# Altium PCB rev3.PcbDoc (part 2 of 7) (continued)
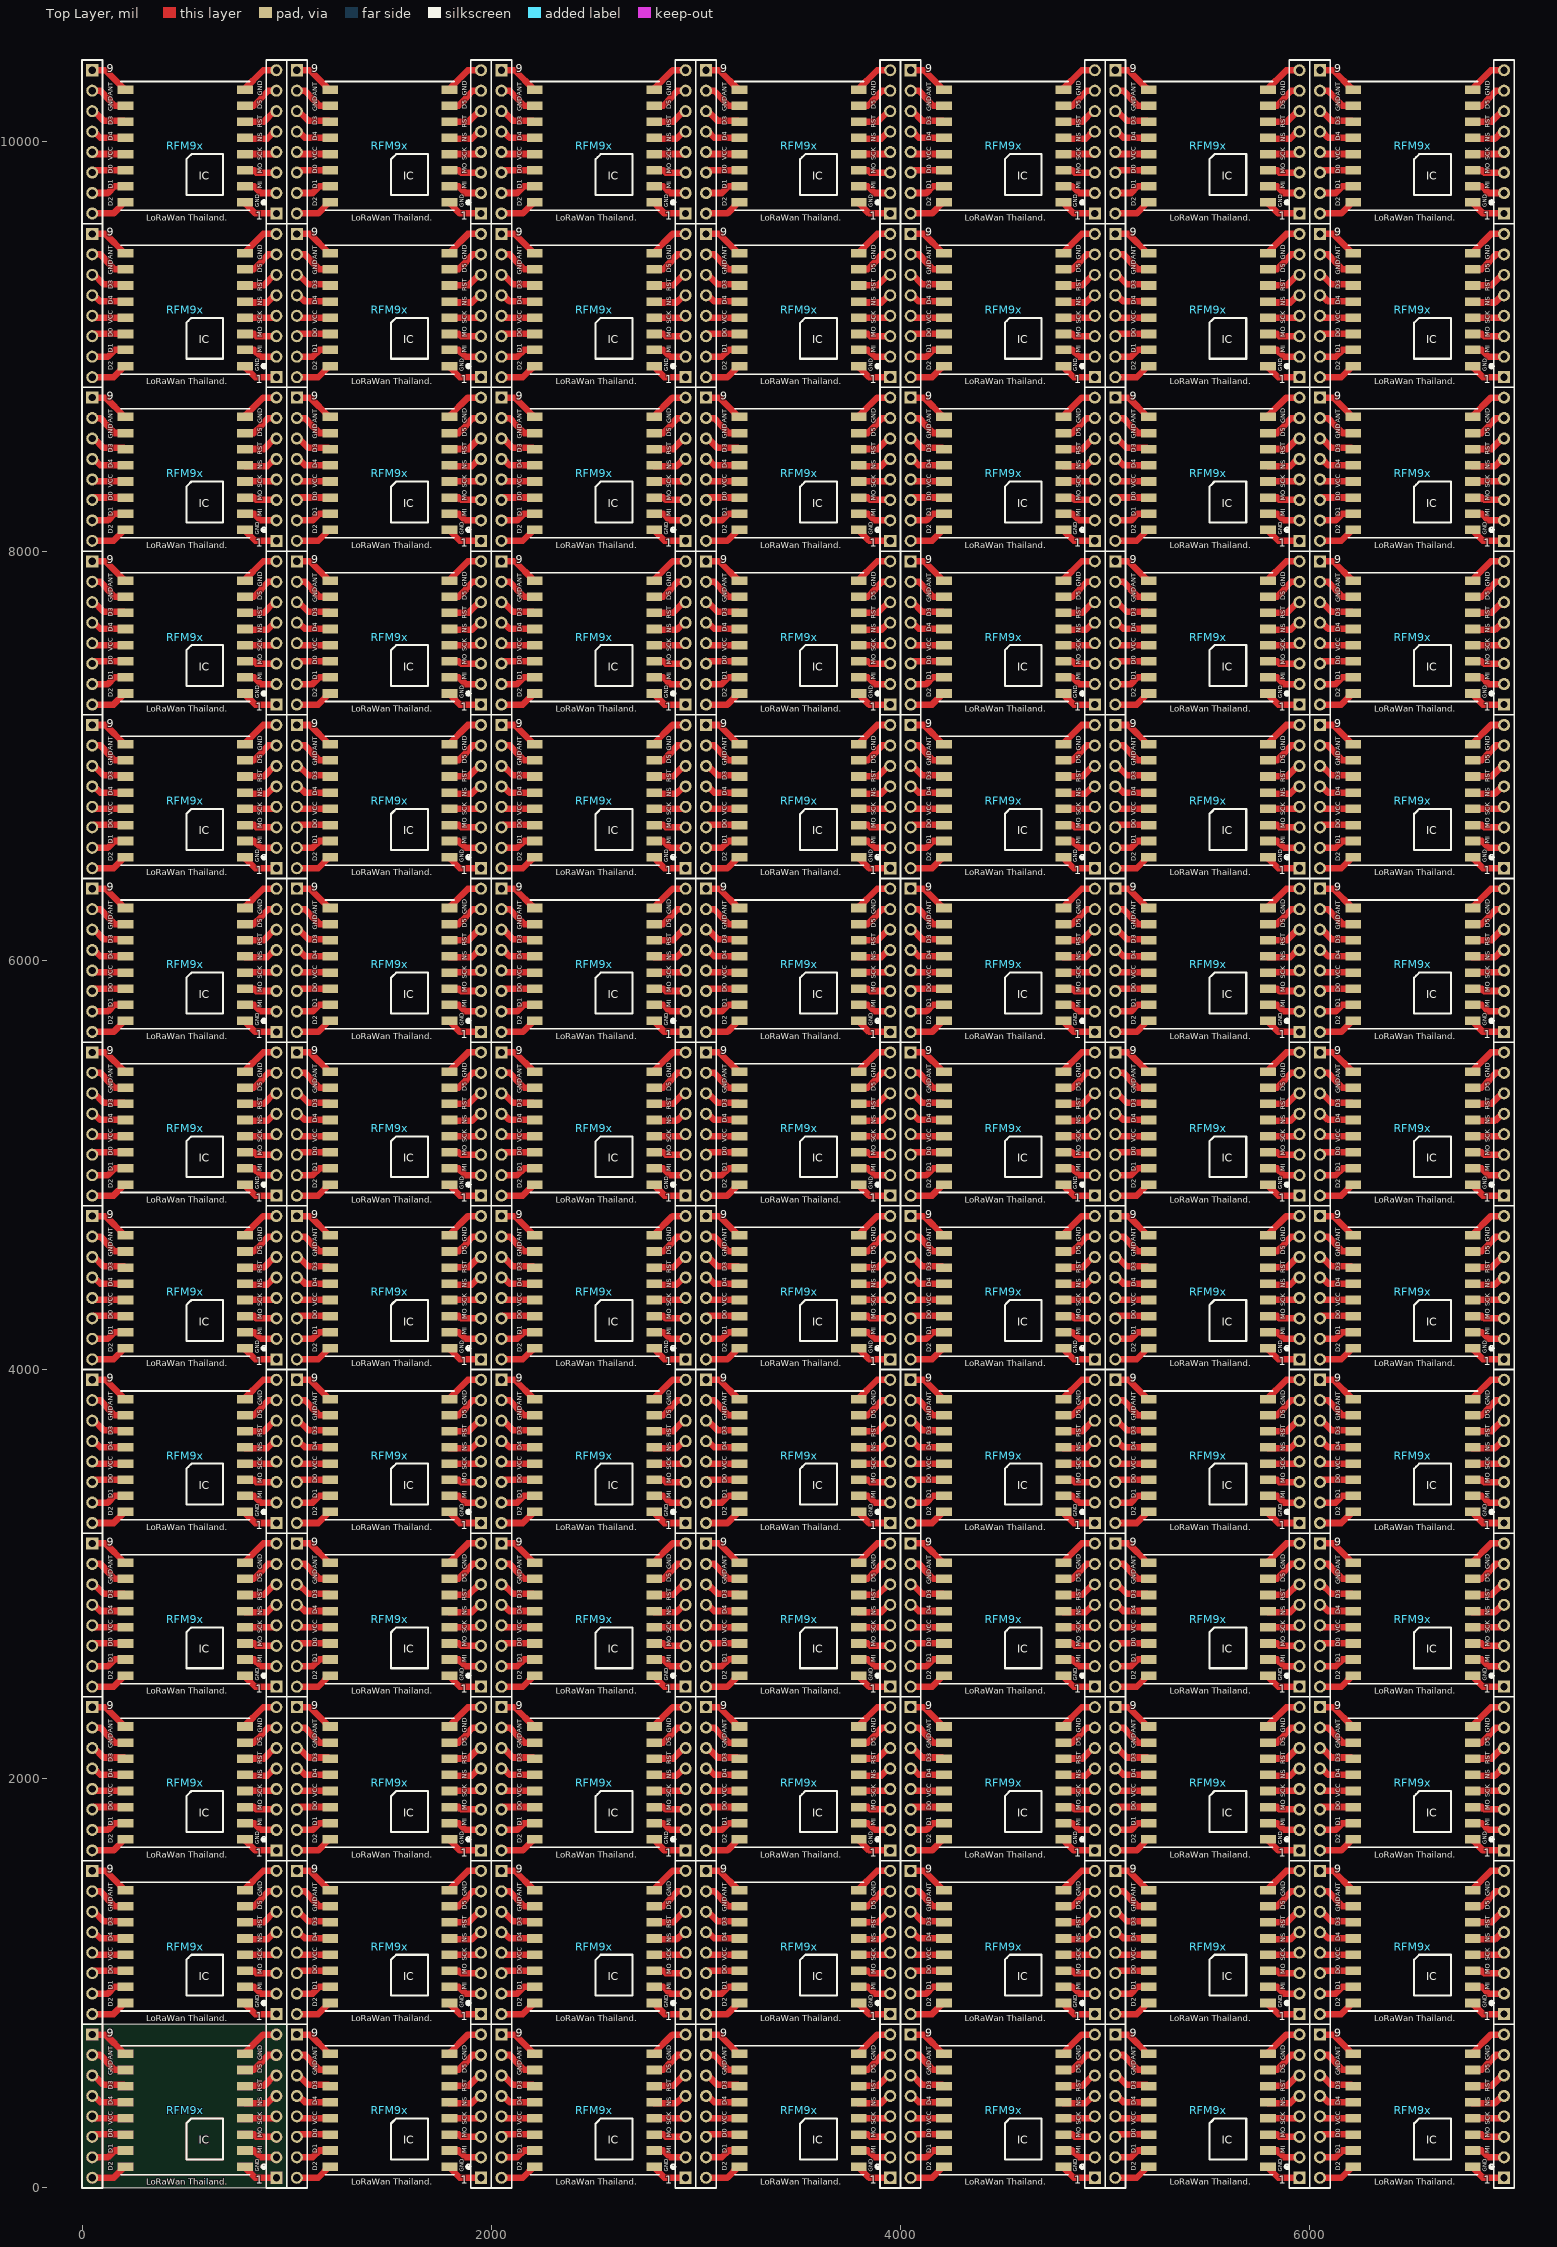
[diagram p0: Top Layer view]
## Nets (pads, with @x,y where several pads share a name; then routed paths per layer and width w, separated by ;. In a path a pad name is that pad's centre, name@x,y a point inside that pad or via, vN(x,y) a via of type N, cw(c..) or ccw(c..) an arc to the next point about the centre after c; other vN are vias at no path point) (continued)
RFM9x.1@796.34,8904 RFM9x.1@796.34,9704 RFM9x.1@1796.34,104 RFM9x.1@1796.34,904 RFM9x.1@1796.34,1704 RFM9x.1@1796.34,2504 RFM9x.1@1796.34,3304 RFM9x.1@1796.34,4104 RFM9x.1@1796.34,4904 RFM9x.1@1796.34,5704 RFM9x.1@1796.34,6504 RFM9x.1@1796.34,7304 RFM9x.1@1796.34,8104 RFM9x.1@1796.34,8904 RFM9x.1@1796.34,9704 RFM9x.1@2796.34,104 RFM9x.1@2796.34,904 RFM9x.1@2796.34,1704 RFM9x.1@2796.34,2504 RFM9x.1@2796.34,3304 RFM9x.1@2796.34,4104 RFM9x.1@2796.34,4904 RFM9x.1@2796.34,5704 RFM9x.1@2796.34,6504 RFM9x.1@2796.34,7304 RFM9x.1@2796.34,8104 RFM9x.1@2796.34,8904 RFM9x.1@2796.34,9704 RFM9x.1@3796.34,104 RFM9x.1@3796.34,904 RFM9x.1@3796.34,1704 RFM9x.1@3796.34,2504 RFM9x.1@3796.34,3304 RFM9x.1@3796.34,4104 RFM9x.1@3796.34,4904 RFM9x.1@3796.34,5704 RFM9x.1@3796.34,6504 RFM9x.1@3796.34,7304 RFM9x.1@3796.34,8104 RFM9x.1@3796.34,8904 RFM9x.1@3796.34,9704 RFM9x.1@4796.34,104 RFM9x.1@4796.34,904 RFM9x.1@4796.34,1704 RFM9x.1@4796.34,2504 RFM9x.1@4796.34,3304 RFM9x.1@4796.34,4104 RFM9x.1@4796.34,4904 RFM9x.1@4796.34,5704 RFM9x.1@4796.34,6504 RFM9x.1@4796.34,7304 RFM9x.1@4796.34,8104 RFM9x.1@4796.34,8904 RFM9x.1@4796.34,9704 RFM9x.1@5796.34,104 RFM9x.1@5796.34,904 RFM9x.1@5796.34,1704 RFM9x.1@5796.34,2504 RFM9x.1@5796.34,3304 RFM9x.1@5796.34,4104 RFM9x.1@5796.34,4904 RFM9x.1@5796.34,5704 RFM9x.1@5796.34,6504 RFM9x.1@5796.34,7304 RFM9x.1@5796.34,8104 RFM9x.1@5796.34,8904 RFM9x.1@5796.34,9704 RFM9x.1@6796.34,104 RFM9x.1@6796.34,904 RFM9x.1@6796.34,1704 RFM9x.1@6796.34,2504 RFM9x.1@6796.34,3304 RFM9x.1@6796.34,4104 RFM9x.1@6796.34,4904 RFM9x.1@6796.34,5704 RFM9x.1@6796.34,6504 RFM9x.1@6796.34,7304 RFM9x.1@6796.34,8104 RFM9x.1@6796.34,8904 RFM9x.1@6796.34,9704 RFM9x.2@796.34,983 RFM9x.2@796.34,1783 RFM9x.2@796.34,2583 RFM9x.2@796.34,3383 RFM9x.2@796.34,4183 RFM9x.2@796.34,4983 RFM9x.2@796.34,5783 RFM9x.2@796.34,6583 RFM9x.2@796.34,7383 RFM9x.2@796.34,8183 RFM9x.2@796.34,8983 RFM9x.2@796.34,9783 RFM9x.2@1796.34,183 RFM9x.2@1796.34,983 RFM9x.2@1796.34,1783 RFM9x.2@1796.34,2583 RFM9x.2@1796.34,3383 RFM9x.2@1796.34,4183 RFM9x.2@1796.34,4983 RFM9x.2@1796.34,5783 RFM9x.2@1796.34,6583 RFM9x.2@1796.34,7383 RFM9x.2@1796.34,8183 RFM9x.2@1796.34,8983 RFM9x.2@1796.34,9783 RFM9x.2@2796.34,183 RFM9x.2@2796.34,983 RFM9x.2@2796.34,1783 RFM9x.2@2796.34,2583 RFM9x.2@2796.34,3383 RFM9x.2@2796.34,4183 RFM9x.2@2796.34,4983 RFM9x.2@2796.34,5783 RFM9x.2@2796.34,6583 RFM9x.2@2796.34,7383 RFM9x.2@2796.34,8183 RFM9x.2@2796.34,8983 RFM9x.2@2796.34,9783 RFM9x.2@3796.34,183 RFM9x.2@3796.34,983 RFM9x.2@3796.34,1783 RFM9x.2@3796.34,2583 RFM9x.2@3796.34,3383 RFM9x.2@3796.34,4183 RFM9x.2@3796.34,4983 RFM9x.2@3796.34,5783 RFM9x.2@3796.34,6583 RFM9x.2@3796.34,7383 RFM9x.2@3796.34,8183 RFM9x.2@3796.34,8983 RFM9x.2@3796.34,9783 RFM9x.2@4796.34,183 RFM9x.2@4796.34,983 RFM9x.2@4796.34,1783 RFM9x.2@4796.34,2583 RFM9x.2@4796.34,3383 RFM9x.2@4796.34,4183 RFM9x.2@4796.34,4983 RFM9x.2@4796.34,5783 RFM9x.2@4796.34,6583 RFM9x.2@4796.34,7383 RFM9x.2@4796.34,8183 RFM9x.2@4796.34,8983 RFM9x.2@4796.34,9783 RFM9x.2@5796.34,183 RFM9x.2@5796.34,983 RFM9x.2@5796.34,1783 RFM9x.2@5796.34,2583 RFM9x.2@5796.34,3383 RFM9x.2@5796.34,4183 RFM9x.2@5796.34,4983 RFM9x.2@5796.34,5783 RFM9x.2@5796.34,6583 RFM9x.2@5796.34,7383 RFM9x.2@5796.34,8183 RFM9x.2@5796.34,8983 RFM9x.2@5796.34,9783 RFM9x.2@6796.34,183 RFM9x.2@6796.34,983 RFM9x.2@6796.34,1783 RFM9x.2@6796.34,2583 RFM9x.2@6796.34,3383 RFM9x.2@6796.34,4183 RFM9x.2@6796.34,4983 RFM9x.2@6796.34,5783 RFM9x.2@6796.34,6583 RFM9x.2@6796.34,7383 RFM9x.2@6796.34,8183 RFM9x.2@6796.34,8983 RFM9x.2@6796.34,9783 RFM9x.3@796.34,1061 RFM9x.3@796.34,1861 RFM9x.3@796.34,2661 RFM9x.3@796.34,3461 RFM9x.3@796.34,4261 RFM9x.3@796.34,5061 RFM9x.3@796.34,5861 RFM9x.3@796.34,6661 RFM9x.3@796.34,7461 RFM9x.3@796.34,8261 RFM9x.3@796.34,9061 RFM9x.3@796.34,9861 RFM9x.3@1796.34,261 RFM9x.3@1796.34,1061 RFM9x.3@1796.34,1861 RFM9x.3@1796.34,2661 RFM9x.3@1796.34,3461 RFM9x.3@1796.34,4261 RFM9x.3@1796.34,5061 RFM9x.3@1796.34,5861 RFM9x.3@1796.34,6661 RFM9x.3@1796.34,7461 RFM9x.3@1796.34,8261 RFM9x.3@1796.34,9061 RFM9x.3@1796.34,9861 RFM9x.3@2796.34,261 RFM9x.3@2796.34,1061 RFM9x.3@2796.34,1861 RFM9x.3@2796.34,2661 RFM9x.3@2796.34,3461 RFM9x.3@2796.34,4261 RFM9x.3@2796.34,5061 RFM9x.3@2796.34,5861 RFM9x.3@2796.34,6661 RFM9x.3@2796.34,7461 RFM9x.3@2796.34,8261 RFM9x.3@2796.34,9061 RFM9x.3@2796.34,9861 RFM9x.3@3796.34,261 RFM9x.3@3796.34,1061 RFM9x.3@3796.34,1861 RFM9x.3@3796.34,2661 RFM9x.3@3796.34,3461 RFM9x.3@3796.34,4261 RFM9x.3@3796.34,5061 RFM9x.3@3796.34,5861 RFM9x.3@3796.34,6661 RFM9x.3@3796.34,7461 RFM9x.3@3796.34,8261 RFM9x.3@3796.34,9061 RFM9x.3@3796.34,9861 RFM9x.3@4796.34,261 RFM9x.3@4796.34,1061 RFM9x.3@4796.34,1861 RFM9x.3@4796.34,2661 RFM9x.3@4796.34,3461 RFM9x.3@4796.34,4261 RFM9x.3@4796.34,5061 RFM9x.3@4796.34,5861 RFM9x.3@4796.34,6661 RFM9x.3@4796.34,7461 RFM9x.3@4796.34,8261 RFM9x.3@4796.34,9061 RFM9x.3@4796.34,9861 RFM9x.3@5796.34,261 RFM9x.3@5796.34,1061 RFM9x.3@5796.34,1861 RFM9x.3@5796.34,2661 RFM9x.3@5796.34,3461 RFM9x.3@5796.34,4261 RFM9x.3@5796.34,5061 RFM9x.3@5796.34,5861 RFM9x.3@5796.34,6661 RFM9x.3@5796.34,7461 RFM9x.3@5796.34,8261 RFM9x.3@5796.34,9061 RFM9x.3@5796.34,9861 RFM9x.3@6796.34,261 RFM9x.3@6796.34,1061 RFM9x.3@6796.34,1861 RFM9x.3@6796.34,2661 RFM9x.3@6796.34,3461 RFM9x.3@6796.34,4261 RFM9x.3@6796.34,5061 RFM9x.3@6796.34,5861 RFM9x.3@6796.34,6661 RFM9x.3@6796.34,7461 RFM9x.3@6796.34,8261 RFM9x.3@6796.34,9061 RFM9x.3@6796.34,9861 RFM9x.4@796.34,1140 RFM9x.4@796.34,1940 RFM9x.4@796.34,2740 RFM9x.4@796.34,3540 RFM9x.4@796.34,4340 RFM9x.4@796.34,5140 RFM9x.4@796.34,5940 RFM9x.4@796.34,6740 RFM9x.4@796.34,7540 RFM9x.4@796.34,8340 RFM9x.4@796.34,9140 RFM9x.4@796.34,9940 RFM9x.4@1796.34,340 RFM9x.4@1796.34,1140 RFM9x.4@1796.34,1940 RFM9x.4@1796.34,2740 RFM9x.4@1796.34,3540 RFM9x.4@1796.34,4340 RFM9x.4@1796.34,5140 RFM9x.4@1796.34,5940 RFM9x.4@1796.34,6740 RFM9x.4@1796.34,7540 RFM9x.4@1796.34,8340 RFM9x.4@1796.34,9140 RFM9x.4@1796.34,9940 RFM9x.4@2796.34,340 RFM9x.4@2796.34,1140 RFM9x.4@2796.34,1940 RFM9x.4@2796.34,2740 RFM9x.4@2796.34,3540 RFM9x.4@2796.34,4340 RFM9x.4@2796.34,5140 RFM9x.4@2796.34,5940 RFM9x.4@2796.34,6740 RFM9x.4@2796.34,7540 RFM9x.4@2796.34,8340 RFM9x.4@2796.34,9140 RFM9x.4@2796.34,9940 RFM9x.4@3796.34,340 RFM9x.4@3796.34,1140 RFM9x.4@3796.34,1940 RFM9x.4@3796.34,2740 RFM9x.4@3796.34,3540 RFM9x.4@3796.34,4340 RFM9x.4@3796.34,5140 RFM9x.4@3796.34,5940 RFM9x.4@3796.34,6740 RFM9x.4@3796.34,7540 RFM9x.4@3796.34,8340 RFM9x.4@3796.34,9140 RFM9x.4@3796.34,9940 RFM9x.4@4796.34,340 RFM9x.4@4796.34,1140 RFM9x.4@4796.34,1940 RFM9x.4@4796.34,2740 RFM9x.4@4796.34,3540 RFM9x.4@4796.34,4340 RFM9x.4@4796.34,5140 RFM9x.4@4796.34,5940 RFM9x.4@4796.34,6740 RFM9x.4@4796.34,7540 RFM9x.4@4796.34,8340 RFM9x.4@4796.34,9140 RFM9x.4@4796.34,9940 RFM9x.4@5796.34,340 RFM9x.4@5796.34,1140 RFM9x.4@5796.34,1940 RFM9x.4@5796.34,2740 RFM9x.4@5796.34,3540 RFM9x.4@5796.34,4340 RFM9x.4@5796.34,5140 RFM9x.4@5796.34,5940 RFM9x.4@5796.34,6740 RFM9x.4@5796.34,7540 RFM9x.4@5796.34,8340 RFM9x.4@5796.34,9140 RFM9x.4@5796.34,9940 RFM9x.4@6796.34,340 RFM9x.4@6796.34,1140 RFM9x.4@6796.34,1940 RFM9x.4@6796.34,2740 RFM9x.4@6796.34,3540 RFM9x.4@6796.34,4340 RFM9x.4@6796.34,5140 RFM9x.4@6796.34,5940 RFM9x.4@6796.34,6740 RFM9x.4@6796.34,7540 RFM9x.4@6796.34,8340 RFM9x.4@6796.34,9140 RFM9x.4@6796.34,9940 RFM9x.5@796.34,1219.37 RFM9x.5@796.34,2019.37 RFM9x.5@796.34,2819.37 RFM9x.5@796.34,3619.37 RFM9x.5@796.34,4419.37 RFM9x.5@796.34,5219.37 RFM9x.5@796.34,6019.37 RFM9x.5@796.34,6819.37 RFM9x.5@796.34,7619.37 RFM9x.5@796.34,8419.37 RFM9x.5@796.34,9219.37 RFM9x.5@796.34,10019.37 RFM9x.5@1796.34,419.37 RFM9x.5@1796.34,1219.37 RFM9x.5@1796.34,2019.37 RFM9x.5@1796.34,2819.37 RFM9x.5@1796.34,3619.37 RFM9x.5@1796.34,4419.37 RFM9x.5@1796.34,5219.37 RFM9x.5@1796.34,6019.37 RFM9x.5@1796.34,6819.37 RFM9x.5@1796.34,7619.37 RFM9x.5@1796.34,8419.37 RFM9x.5@1796.34,9219.37 RFM9x.5@1796.34,10019.37 RFM9x.5@2796.34,419.37 RFM9x.5@2796.34,1219.37 RFM9x.5@2796.34,2019.37 RFM9x.5@2796.34,2819.37 RFM9x.5@2796.34,3619.37 RFM9x.5@2796.34,4419.37 RFM9x.5@2796.34,5219.37 RFM9x.5@2796.34,6019.37 RFM9x.5@2796.34,6819.37 RFM9x.5@2796.34,7619.37 RFM9x.5@2796.34,8419.37 RFM9x.5@2796.34,9219.37 RFM9x.5@2796.34,10019.37 RFM9x.5@3796.34,419.37 RFM9x.5@3796.34,1219.37 RFM9x.5@3796.34,2019.37 RFM9x.5@3796.34,2819.37 RFM9x.5@3796.34,3619.37 RFM9x.5@3796.34,4419.37 RFM9x.5@3796.34,5219.37 RFM9x.5@3796.34,6019.37 RFM9x.5@3796.34,6819.37 RFM9x.5@3796.34,7619.37 RFM9x.5@3796.34,8419.37 RFM9x.5@3796.34,9219.37 RFM9x.5@3796.34,10019.37 RFM9x.5@4796.34,419.37 RFM9x.5@4796.34,1219.37 RFM9x.5@4796.34,2019.37 RFM9x.5@4796.34,2819.37 RFM9x.5@4796.34,3619.37 RFM9x.5@4796.34,4419.37 RFM9x.5@4796.34,5219.37 RFM9x.5@4796.34,6019.37 RFM9x.5@4796.34,6819.37 RFM9x.5@4796.34,7619.37 RFM9x.5@4796.34,8419.37 RFM9x.5@4796.34,9219.37 RFM9x.5@4796.34,10019.37 RFM9x.5@5796.34,419.37 RFM9x.5@5796.34,1219.37 RFM9x.5@5796.34,2019.37 RFM9x.5@5796.34,2819.37 RFM9x.5@5796.34,3619.37 RFM9x.5@5796.34,4419.37 RFM9x.5@5796.34,5219.37 RFM9x.5@5796.34,6019.37 RFM9x.5@5796.34,6819.37 RFM9x.5@5796.34,7619.37 RFM9x.5@5796.34,8419.37 RFM9x.5@5796.34,9219.37 RFM9x.5@5796.34,10019.37 RFM9x.5@6796.34,419.37 RFM9x.5@6796.34,1219.37 RFM9x.5@6796.34,2019.37 RFM9x.5@6796.34,2819.37 RFM9x.5@6796.34,3619.37 RFM9x.5@6796.34,4419.37 RFM9x.5@6796.34,5219.37 RFM9x.5@6796.34,6019.37 RFM9x.5@6796.34,6819.37 RFM9x.5@6796.34,7619.37 RFM9x.5@6796.34,8419.37 RFM9x.5@6796.34,9219.37 RFM9x.5@6796.34,10019.37 RFM9x.6@796.34,1298.11 RFM9x.6@796.34,2098.11 RFM9x.6@796.34,2898.11 RFM9x.6@796.34,3698.11 RFM9x.6@796.34,4498.11 RFM9x.6@796.34,5298.11 RFM9x.6@796.34,6098.11 RFM9x.6@796.34,6898.11 RFM9x.6@796.34,7698.11 RFM9x.6@796.34,8498.11 RFM9x.6@796.34,9298.11 RFM9x.6@796.34,10098.11 RFM9x.6@1796.34,498.11 RFM9x.6@1796.34,1298.11 RFM9x.6@1796.34,2098.11 RFM9x.6@1796.34,2898.11 RFM9x.6@1796.34,3698.11 RFM9x.6@1796.34,4498.11 RFM9x.6@1796.34,5298.11 RFM9x.6@1796.34,6098.11 RFM9x.6@1796.34,6898.11 RFM9x.6@1796.34,7698.11 RFM9x.6@1796.34,8498.11 RFM9x.6@1796.34,9298.11 RFM9x.6@1796.34,10098.11 RFM9x.6@2796.34,498.11 RFM9x.6@2796.34,1298.11 RFM9x.6@2796.34,2098.11 RFM9x.6@2796.34,2898.11 RFM9x.6@2796.34,3698.11 RFM9x.6@2796.34,4498.11 RFM9x.6@2796.34,5298.11 RFM9x.6@2796.34,6098.11 RFM9x.6@2796.34,6898.11 RFM9x.6@2796.34,7698.11 RFM9x.6@2796.34,8498.11 RFM9x.6@2796.34,9298.11 RFM9x.6@2796.34,10098.11 RFM9x.6@3796.34,498.11 RFM9x.6@3796.34,1298.11 RFM9x.6@3796.34,2098.11 RFM9x.6@3796.34,2898.11 RFM9x.6@3796.34,3698.11 RFM9x.6@3796.34,4498.11 RFM9x.6@3796.34,5298.11 RFM9x.6@3796.34,6098.11 RFM9x.6@3796.34,6898.11 RFM9x.6@3796.34,7698.11 RFM9x.6@3796.34,8498.11 RFM9x.6@3796.34,9298.11 RFM9x.6@3796.34,10098.11 RFM9x.6@4796.34,498.11 RFM9x.6@4796.34,1298.11 RFM9x.6@4796.34,2098.11 RFM9x.6@4796.34,2898.11 RFM9x.6@4796.34,3698.11 RFM9x.6@4796.34,4498.11 RFM9x.6@4796.34,5298.11 RFM9x.6@4796.34,6098.11 RFM9x.6@4796.34,6898.11 RFM9x.6@4796.34,7698.11 RFM9x.6@4796.34,8498.11 RFM9x.6@4796.34,9298.11 RFM9x.6@4796.34,10098.11 RFM9x.6@5796.34,498.11 RFM9x.6@5796.34,1298.11 RFM9x.6@5796.34,2098.11 RFM9x.6@5796.34,2898.11 RFM9x.6@5796.34,3698.11 RFM9x.6@5796.34,4498.11 RFM9x.6@5796.34,5298.11 RFM9x.6@5796.34,6098.11 RFM9x.6@5796.34,6898.11 RFM9x.6@5796.34,7698.11 RFM9x.6@5796.34,8498.11 RFM9x.6@5796.34,9298.11 RFM9x.6@5796.34,10098.11 RFM9x.6@6796.34,498.11 RFM9x.6@6796.34,1298.11 RFM9x.6@6796.34,2098.11 RFM9x.6@6796.34,2898.11 RFM9x.6@6796.34,3698.11 RFM9x.6@6796.34,4498.11 RFM9x.6@6796.34,5298.11 RFM9x.6@6796.34,6098.11 RFM9x.6@6796.34,6898.11 RFM9x.6@6796.34,7698.11 RFM9x.6@6796.34,8498.11 RFM9x.6@6796.34,9298.11 RFM9x.6@6796.34,10098.11 RFM9x.7@796.34,1376.85 RFM9x.7@796.34,2176.85 RFM9x.7@796.34,2976.85 RFM9x.7@796.34,3776.85 RFM9x.7@796.34,4576.85 RFM9x.7@796.34,5376.85 RFM9x.7@796.34,6176.85 RFM9x.7@796.34,6976.85 RFM9x.7@796.34,7776.85 RFM9x.7@796.34,8576.85 RFM9x.7@796.34,9376.85 RFM9x.7@796.34,10176.85 RFM9x.7@1796.34,576.85 RFM9x.7@1796.34,1376.85 RFM9x.7@1796.34,2176.85 RFM9x.7@1796.34,2976.85 RFM9x.7@1796.34,3776.85 RFM9x.7@1796.34,4576.85 RFM9x.7@1796.34,5376.85 RFM9x.7@1796.34,6176.85 RFM9x.7@1796.34,6976.85 RFM9x.7@1796.34,7776.85 RFM9x.7@1796.34,8576.85 RFM9x.7@1796.34,9376.85 RFM9x.7@1796.34,10176.85 RFM9x.7@2796.34,576.85 RFM9x.7@2796.34,1376.85 RFM9x.7@2796.34,2176.85 RFM9x.7@2796.34,2976.85 RFM9x.7@2796.34,3776.85 RFM9x.7@2796.34,4576.85 RFM9x.7@2796.34,5376.85 RFM9x.7@2796.34,6176.85 RFM9x.7@2796.34,6976.85 RFM9x.7@2796.34,7776.85 RFM9x.7@2796.34,8576.85 RFM9x.7@2796.34,9376.85 RFM9x.7@2796.34,10176.85 RFM9x.7@3796.34,576.85 RFM9x.7@3796.34,1376.85 RFM9x.7@3796.34,2176.85 RFM9x.7@3796.34,2976.85 RFM9x.7@3796.34,3776.85 RFM9x.7@3796.34,4576.85 RFM9x.7@3796.34,5376.85 RFM9x.7@3796.34,6176.85 RFM9x.7@3796.34,6976.85 RFM9x.7@3796.34,7776.85 RFM9x.7@3796.34,8576.85 RFM9x.7@3796.34,9376.85 RFM9x.7@3796.34,10176.85 RFM9x.7@4796.34,576.85 RFM9x.7@4796.34,1376.85 RFM9x.7@4796.34,2176.85 RFM9x.7@4796.34,2976.85 RFM9x.7@4796.34,3776.85 RFM9x.7@4796.34,4576.85 RFM9x.7@4796.34,5376.85 RFM9x.7@4796.34,6176.85 RFM9x.7@4796.34,6976.85 RFM9x.7@4796.34,7776.85 RFM9x.7@4796.34,8576.85 RFM9x.7@4796.34,9376.85 RFM9x.7@4796.34,10176.85 RFM9x.7@5796.34,576.85 RFM9x.7@5796.34,1376.85 RFM9x.7@5796.34,2176.85 RFM9x.7@5796.34,2976.85 RFM9x.7@5796.34,3776.85 RFM9x.7@5796.34,4576.85 RFM9x.7@5796.34,5376.85 RFM9x.7@5796.34,6176.85 RFM9x.7@5796.34,6976.85 RFM9x.7@5796.34,7776.85 RFM9x.7@5796.34,8576.85 RFM9x.7@5796.34,9376.85 RFM9x.7@5796.34,10176.85 RFM9x.7@6796.34,576.85 RFM9x.7@6796.34,1376.85 RFM9x.7@6796.34,2176.85 RFM9x.7@6796.34,2976.85 RFM9x.7@6796.34,3776.85 RFM9x.7@6796.34,4576.85 RFM9x.7@6796.34,5376.85 RFM9x.7@6796.34,6176.85 RFM9x.7@6796.34,6976.85 RFM9x.7@6796.34,7776.85 RFM9x.7@6796.34,8576.85 RFM9x.7@6796.34,9376.85 RFM9x.7@6796.34,10176.85 RFM9x.8@796.34,1455.59 RFM9x.8@796.34,2255.59 RFM9x.8@796.34,3055.59 RFM9x.8@796.34,3855.59 RFM9x.8@796.34,4655.59 RFM9x.8@796.34,5455.59 RFM9x.8@796.34,6255.59 RFM9x.8@796.34,7055.59 RFM9x.8@796.34,7855.59 RFM9x.8@796.34,8655.59 RFM9x.8@796.34,9455.59 RFM9x.8@796.34,10255.59 RFM9x.8@1796.34,655.59 RFM9x.8@1796.34,1455.59 RFM9x.8@1796.34,2255.59 RFM9x.8@1796.34,3055.59 RFM9x.8@1796.34,3855.59 RFM9x.8@1796.34,4655.59 RFM9x.8@1796.34,5455.59 RFM9x.8@1796.34,6255.59 RFM9x.8@1796.34,7055.59 RFM9x.8@1796.34,7855.59 RFM9x.8@1796.34,8655.59 RFM9x.8@1796.34,9455.59 RFM9x.8@1796.34,10255.59 RFM9x.8@2796.34,655.59 RFM9x.8@2796.34,1455.59 RFM9x.8@2796.34,2255.59 RFM9x.8@2796.34,3055.59 RFM9x.8@2796.34,3855.59 RFM9x.8@2796.34,4655.59 RFM9x.8@2796.34,5455.59 RFM9x.8@2796.34,6255.59 RFM9x.8@2796.34,7055.59 RFM9x.8@2796.34,7855.59 RFM9x.8@2796.34,8655.59 RFM9x.8@2796.34,9455.59 RFM9x.8@2796.34,10255.59 RFM9x.8@3796.34,655.59 RFM9x.8@3796.34,1455.59 RFM9x.8@3796.34,2255.59 RFM9x.8@3796.34,3055.59 RFM9x.8@3796.34,3855.59 RFM9x.8@3796.34,4655.59 RFM9x.8@3796.34,5455.59 RFM9x.8@3796.34,6255.59 RFM9x.8@3796.34,7055.59 RFM9x.8@3796.34,7855.59 RFM9x.8@3796.34,8655.59 RFM9x.8@3796.34,9455.59 RFM9x.8@3796.34,10255.59 RFM9x.8@4796.34,655.59 RFM9x.8@4796.34,1455.59 RFM9x.8@4796.34,2255.59 RFM9x.8@4796.34,3055.59 RFM9x.8@4796.34,3855.59 RFM9x.8@4796.34,4655.59 RFM9x.8@4796.34,5455.59 RFM9x.8@4796.34,6255.59 RFM9x.8@4796.34,7055.59 RFM9x.8@4796.34,7855.59 RFM9x.8@4796.34,8655.59 RFM9x.8@4796.34,9455.59 RFM9x.8@4796.34,10255.59 RFM9x.8@5796.34,655.59 RFM9x.8@5796.34,1455.59 RFM9x.8@5796.34,2255.59 RFM9x.8@5796.34,3055.59 RFM9x.8@5796.34,3855.59 RFM9x.8@5796.34,4655.59 RFM9x.8@5796.34,5455.59 RFM9x.8@5796.34,6255.59 RFM9x.8@5796.34,7055.59 RFM9x.8@5796.34,7855.59 RFM9x.8@5796.34,8655.59 RFM9x.8@5796.34,9455.59 RFM9x.8@5796.34,10255.59 RFM9x.8@6796.34,655.59 RFM9x.8@6796.34,1455.59 RFM9x.8@6796.34,2255.59 RFM9x.8@6796.34,3055.59 RFM9x.8@6796.34,3855.59 RFM9x.8@6796.34,4655.59 RFM9x.8@6796.34,5455.59 RFM9x.8@6796.34,6255.59 RFM9x.8@6796.34,7055.59 RFM9x.8@6796.34,7855.59 RFM9x.8@6796.34,8655.59 RFM9x.8@6796.34,9455.59 RFM9x.8@6796.34,10255.59 RFM9x.9@213,1455.59 RFM9x.9@213,2255.59 RFM9x.9@213,3055.59 RFM9x.9@213,3855.59 RFM9x.9@213,4655.59 RFM9x.9@213,5455.59 RFM9x.9@213,6255.59 RFM9x.9@213,7055.59 RFM9x.9@213,7855.59 RFM9x.9@213,8655.59 RFM9x.9@213,9455.59 RFM9x.9@213,10255.59 RFM9x.9@1213,655.59 RFM9x.9@1213,1455.59 RFM9x.9@1213,2255.59 RFM9x.9@1213,3055.59 RFM9x.9@1213,3855.59 RFM9x.9@1213,4655.59 RFM9x.9@1213,5455.59 RFM9x.9@1213,6255.59 RFM9x.9@1213,7055.59 RFM9x.9@1213,7855.59 RFM9x.9@1213,8655.59 RFM9x.9@1213,9455.59 RFM9x.9@1213,10255.59 RFM9x.9@2213,655.59 RFM9x.9@2213,1455.59 RFM9x.9@2213,2255.59 RFM9x.9@2213,3055.59 RFM9x.9@2213,3855.59 RFM9x.9@2213,4655.59 RFM9x.9@2213,5455.59 RFM9x.9@2213,6255.59 RFM9x.9@2213,7055.59 RFM9x.9@2213,7855.59 RFM9x.9@2213,8655.59 RFM9x.9@2213,9455.59 RFM9x.9@2213,10255.59 RFM9x.9@3213,655.59 RFM9x.9@3213,1455.59 RFM9x.9@3213,2255.59 RFM9x.9@3213,3055.59 RFM9x.9@3213,3855.59 RFM9x.9@3213,4655.59 RFM9x.9@3213,5455.59 RFM9x.9@3213,6255.59 RFM9x.9@3213,7055.59 RFM9x.9@3213,7855.59 RFM9x.9@3213,8655.59 RFM9x.9@3213,9455.59 RFM9x.9@3213,10255.59 RFM9x.9@4213,655.59 RFM9x.9@4213,1455.59 RFM9x.9@4213,2255.59 RFM9x.9@4213,3055.59 RFM9x.9@4213,3855.59 RFM9x.9@4213,4655.59 RFM9x.9@4213,5455.59 RFM9x.9@4213,6255.59 RFM9x.9@4213,7055.59 RFM9x.9@4213,7855.59 RFM9x.9@4213,8655.59 RFM9x.9@4213,9455.59 RFM9x.9@4213,10255.59 RFM9x.9@5213,655.59 RFM9x.9@5213,1455.59 RFM9x.9@5213,2255.59 RFM9x.9@5213,3055.59 RFM9x.9@5213,3855.59 RFM9x.9@5213,4655.59 RFM9x.9@5213,5455.59 RFM9x.9@5213,6255.59 RFM9x.9@5213,7055.59 RFM9x.9@5213,7855.59 RFM9x.9@5213,8655.59 RFM9x.9@5213,9455.59 RFM9x.9@5213,10255.59 RFM9x.9@6213,655.59 RFM9x.9@6213,1455.59 RFM9x.9@6213,2255.59 RFM9x.9@6213,3055.59 RFM9x.9@6213,3855.59 RFM9x.9@6213,4655.59 RFM9x.9@6213,5455.59 RFM9x.9@6213,6255.59 RFM9x.9@6213,7055.59 RFM9x.9@6213,7855.59 RFM9x.9@6213,8655.59 RFM9x.9@6213,9455.59 RFM9x.9@6213,10255.59 RFM9x.10@213,1376.85 RFM9x.10@213,2176.85 RFM9x.10@213,2976.85 RFM9x.10@213,3776.85 RFM9x.10@213,4576.85 RFM9x.10@213,5376.85 RFM9x.10@213,6176.85 RFM9x.10@213,6976.85 RFM9x.10@213,7776.85 RFM9x.10@213,8576.85 RFM9x.10@213,9376.85 RFM9x.10@213,10176.85 RFM9x.10@1213,576.85 RFM9x.10@1213,1376.85 RFM9x.10@1213,2176.85 RFM9x.10@1213,2976.85 RFM9x.10@1213,3776.85 RFM9x.10@1213,4576.85 RFM9x.10@1213,5376.85 RFM9x.10@1213,6176.85 RFM9x.10@1213,6976.85 RFM9x.10@1213,7776.85 RFM9x.10@1213,8576.85 RFM9x.10@1213,9376.85 RFM9x.10@1213,10176.85 RFM9x.10@2213,576.85 RFM9x.10@2213,1376.85 RFM9x.10@2213,2176.85 RFM9x.10@2213,2976.85 RFM9x.10@2213,3776.85 RFM9x.10@2213,4576.85 RFM9x.10@2213,5376.85 RFM9x.10@2213,6176.85 RFM9x.10@2213,6976.85 RFM9x.10@2213,7776.85 RFM9x.10@2213,8576.85 RFM9x.10@2213,9376.85 RFM9x.10@2213,10176.85 RFM9x.10@3213,576.85 RFM9x.10@3213,1376.85 RFM9x.10@3213,2176.85 RFM9x.10@3213,2976.85 RFM9x.10@3213,3776.85 RFM9x.10@3213,4576.85 RFM9x.10@3213,5376.85 RFM9x.10@3213,6176.85 RFM9x.10@3213,6976.85 RFM9x.10@3213,7776.85 RFM9x.10@3213,8576.85 RFM9x.10@3213,9376.85 RFM9x.10@3213,10176.85 RFM9x.10@4213,576.85 RFM9x.10@4213,1376.85 RFM9x.10@4213,2176.85 RFM9x.10@4213,2976.85 RFM9x.10@4213,3776.85 RFM9x.10@4213,4576.85 RFM9x.10@4213,5376.85 RFM9x.10@4213,6176.85 RFM9x.10@4213,6976.85 RFM9x.10@4213,7776.85 RFM9x.10@4213,8576.85 RFM9x.10@4213,9376.85 RFM9x.10@4213,10176.85 RFM9x.10@5213,576.85 RFM9x.10@5213,1376.85 RFM9x.10@5213,2176.85 RFM9x.10@5213,2976.85 RFM9x.10@5213,3776.85 RFM9x.10@5213,4576.85 RFM9x.10@5213,5376.85 RFM9x.10@5213,6176.85 RFM9x.10@5213,6976.85 RFM9x.10@5213,7776.85 RFM9x.10@5213,8576.85 RFM9x.10@5213,9376.85 RFM9x.10@5213,10176.85 RFM9x.10@6213,576.85 RFM9x.10@6213,1376.85 RFM9x.10@6213,2176.85 RFM9x.10@6213,2976.85 RFM9x.10@6213,3776.85 RFM9x.10@6213,4576.85 RFM9x.10@6213,5376.85 RFM9x.10@6213,6176.85 RFM9x.10@6213,6976.85 RFM9x.10@6213,7776.85 RFM9x.10@6213,8576.85 RFM9x.10@6213,9376.85 RFM9x.10@6213,10176.85 RFM9x.11@213,1298.11 RFM9x.11@213,2098.11 RFM9x.11@213,2898.11 RFM9x.11@213,3698.11 RFM9x.11@213,4498.11 RFM9x.11@213,5298.11 RFM9x.11@213,6098.11 RFM9x.11@213,6898.11 RFM9x.11@213,7698.11 RFM9x.11@213,8498.11 RFM9x.11@213,9298.11 RFM9x.11@213,10098.11 RFM9x.11@1213,498.11 RFM9x.11@1213,1298.11 RFM9x.11@1213,2098.11 RFM9x.11@1213,2898.11 RFM9x.11@1213,3698.11 RFM9x.11@1213,4498.11 RFM9x.11@1213,5298.11 RFM9x.11@1213,6098.11 RFM9x.11@1213,6898.11 RFM9x.11@1213,7698.11 RFM9x.11@1213,8498.11 RFM9x.11@1213,9298.11 RFM9x.11@1213,10098.11 RFM9x.11@2213,498.11 RFM9x.11@2213,1298.11 RFM9x.11@2213,2098.11 RFM9x.11@2213,2898.11 RFM9x.11@2213,3698.11 RFM9x.11@2213,4498.11 RFM9x.11@2213,5298.11 RFM9x.11@2213,6098.11 RFM9x.11@2213,6898.11 RFM9x.11@2213,7698.11 RFM9x.11@2213,8498.11 RFM9x.11@2213,9298.11 RFM9x.11@2213,10098.11 RFM9x.11@3213,498.11 RFM9x.11@3213,1298.11 RFM9x.11@3213,2098.11 RFM9x.11@3213,2898.11 RFM9x.11@3213,3698.11 RFM9x.11@3213,4498.11 RFM9x.11@3213,5298.11 RFM9x.11@3213,6098.11 RFM9x.11@3213,6898.11 RFM9x.11@3213,7698.11 RFM9x.11@3213,8498.11 RFM9x.11@3213,9298.11 RFM9x.11@3213,10098.11 RFM9x.11@4213,498.11 RFM9x.11@4213,1298.11 RFM9x.11@4213,2098.11 RFM9x.11@4213,2898.11 RFM9x.11@4213,3698.11 RFM9x.11@4213,4498.11 RFM9x.11@4213,5298.11 RFM9x.11@4213,6098.11 RFM9x.11@4213,6898.11 RFM9x.11@4213,7698.11 RFM9x.11@4213,8498.11 RFM9x.11@4213,9298.11 RFM9x.11@4213,10098.11 RFM9x.11@5213,498.11 RFM9x.11@5213,1298.11 RFM9x.11@5213,2098.11 RFM9x.11@5213,2898.11 RFM9x.11@5213,3698.11 RFM9x.11@5213,4498.11 RFM9x.11@5213,5298.11 RFM9x.11@5213,6098.11 RFM9x.11@5213,6898.11 RFM9x.11@5213,7698.11 RFM9x.11@5213,8498.11 RFM9x.11@5213,9298.11 RFM9x.11@5213,10098.11 RFM9x.11@6213,498.11 RFM9x.11@6213,1298.11 RFM9x.11@6213,2098.11 RFM9x.11@6213,2898.11 RFM9x.11@6213,3698.11 RFM9x.11@6213,4498.11 RFM9x.11@6213,5298.11 RFM9x.11@6213,6098.11 RFM9x.11@6213,6898.11 RFM9x.11@6213,7698.11 RFM9x.11@6213,8498.11 RFM9x.11@6213,9298.11 RFM9x.11@6213,10098.11 RFM9x.12@213,1219.37 RFM9x.12@213,2019.37 RFM9x.12@213,2819.37 RFM9x.12@213,3619.37 RFM9x.12@213,4419.37 RFM9x.12@213,5219.37 RFM9x.12@213,6019.37 RFM9x.12@213,6819.37 RFM9x.12@213,7619.37 RFM9x.12@213,8419.37 RFM9x.12@213,9219.37 RFM9x.12@213,10019.37 RFM9x.12@1213,419.37 RFM9x.12@1213,1219.37 RFM9x.12@1213,2019.37 RFM9x.12@1213,2819.37 RFM9x.12@1213,3619.37 RFM9x.12@1213,4419.37 RFM9x.12@1213,5219.37 RFM9x.12@1213,6019.37 RFM9x.12@1213,6819.37 RFM9x.12@1213,7619.37 RFM9x.12@1213,8419.37 RFM9x.12@1213,9219.37 RFM9x.12@1213,10019.37 RFM9x.12@2213,419.37 RFM9x.12@2213,1219.37 RFM9x.12@2213,2019.37 RFM9x.12@2213,2819.37 RFM9x.12@2213,3619.37 RFM9x.12@2213,4419.37 RFM9x.12@2213,5219.37 RFM9x.12@2213,6019.37 RFM9x.12@2213,6819.37 RFM9x.12@2213,7619.37 RFM9x.12@2213,8419.37 RFM9x.12@2213,9219.37 RFM9x.12@2213,10019.37 RFM9x.12@3213,419.37 RFM9x.12@3213,1219.37 RFM9x.12@3213,2019.37 RFM9x.12@3213,2819.37 RFM9x.12@3213,3619.37 RFM9x.12@3213,4419.37 RFM9x.12@3213,5219.37 RFM9x.12@3213,6019.37 RFM9x.12@3213,6819.37 RFM9x.12@3213,7619.37 RFM9x.12@3213,8419.37 RFM9x.12@3213,9219.37 RFM9x.12@3213,10019.37 RFM9x.12@4213,419.37 RFM9x.12@4213,1219.37 RFM9x.12@4213,2019.37 RFM9x.12@4213,2819.37 RFM9x.12@4213,3619.37 RFM9x.12@4213,4419.37 RFM9x.12@4213,5219.37 RFM9x.12@4213,6019.37 RFM9x.12@4213,6819.37 RFM9x.12@4213,7619.37 RFM9x.12@4213,8419.37 RFM9x.12@4213,9219.37 RFM9x.12@4213,10019.37 RFM9x.12@5213,419.37 RFM9x.12@5213,1219.37 RFM9x.12@5213,2019.37 RFM9x.12@5213,2819.37 RFM9x.12@5213,3619.37 RFM9x.12@5213,4419.37 RFM9x.12@5213,5219.37 RFM9x.12@5213,6019.37 RFM9x.12@5213,6819.37 RFM9x.12@5213,7619.37 RFM9x.12@5213,8419.37 RFM9x.12@5213,9219.37 RFM9x.12@5213,10019.37 RFM9x.12@6213,419.37 RFM9x.12@6213,1219.37 RFM9x.12@6213,2019.37 RFM9x.12@6213,2819.37 RFM9x.12@6213,3619.37 RFM9x.12@6213,4419.37 RFM9x.12@6213,5219.37 RFM9x.12@6213,6019.37 RFM9x.12@6213,6819.37 RFM9x.12@6213,7619.37 RFM9x.12@6213,8419.37 RFM9x.12@6213,9219.37 RFM9x.12@6213,10019.37 RFM9x.13@213,1140 RFM9x.13@213,1940 RFM9x.13@213,2740 RFM9x.13@213,3540 RFM9x.13@213,4340 RFM9x.13@213,5140 RFM9x.13@213,5940 RFM9x.13@213,6740 RFM9x.13@213,7540 RFM9x.13@213,8340 RFM9x.13@213,9140 RFM9x.13@213,9940 RFM9x.13@1213,340 RFM9x.13@1213,1140 RFM9x.13@1213,1940 RFM9x.13@1213,2740 RFM9x.13@1213,3540 RFM9x.13@1213,4340 RFM9x.13@1213,5140 RFM9x.13@1213,5940 RFM9x.13@1213,6740 RFM9x.13@1213,7540 RFM9x.13@1213,8340 RFM9x.13@1213,9140 RFM9x.13@1213,9940 RFM9x.13@2213,340 RFM9x.13@2213,1140 RFM9x.13@2213,1940 RFM9x.13@2213,2740 RFM9x.13@2213,3540 RFM9x.13@2213,4340 RFM9x.13@2213,5140 RFM9x.13@2213,5940 RFM9x.13@2213,6740 RFM9x.13@2213,7540 RFM9x.13@2213,8340 RFM9x.13@2213,9140 RFM9x.13@2213,9940 RFM9x.13@3213,340 RFM9x.13@3213,1140 RFM9x.13@3213,1940 RFM9x.13@3213,2740 RFM9x.13@3213,3540 RFM9x.13@3213,4340 RFM9x.13@3213,5140 RFM9x.13@3213,5940 RFM9x.13@3213,6740 RFM9x.13@3213,7540 RFM9x.13@3213,8340 RFM9x.13@3213,9140 RFM9x.13@3213,9940 RFM9x.13@4213,340 RFM9x.13@4213,1140 RFM9x.13@4213,1940 RFM9x.13@4213,2740 RFM9x.13@4213,3540 RFM9x.13@4213,4340 RFM9x.13@4213,5140 RFM9x.13@4213,5940 RFM9x.13@4213,6740 RFM9x.13@4213,7540 RFM9x.13@4213,8340 RFM9x.13@4213,9140 RFM9x.13@4213,9940 RFM9x.13@5213,340 RFM9x.13@5213,1140 RFM9x.13@5213,1940 RFM9x.13@5213,2740 RFM9x.13@5213,3540 RFM9x.13@5213,4340 RFM9x.13@5213,5140 RFM9x.13@5213,5940 RFM9x.13@5213,6740 RFM9x.13@5213,7540 RFM9x.13@5213,8340 RFM9x.13@5213,9140 RFM9x.13@5213,9940 RFM9x.13@6213,340 RFM9x.13@6213,1140 RFM9x.13@6213,1940 RFM9x.13@6213,2740 RFM9x.13@6213,3540 RFM9x.13@6213,4340 RFM9x.13@6213,5140 RFM9x.13@6213,5940 RFM9x.13@6213,6740 RFM9x.13@6213,7540 RFM9x.13@6213,8340 RFM9x.13@6213,9140 RFM9x.13@6213,9940 RFM9x.14@213,1061 RFM9x.14@213,1861 RFM9x.14@213,2661 RFM9x.14@213,3461 RFM9x.14@213,4261 RFM9x.14@213,5061 RFM9x.14@213,5861 RFM9x.14@213,6661 RFM9x.14@213,7461 RFM9x.14@213,8261 RFM9x.14@213,9061 RFM9x.14@213,9861 RFM9x.14@1213,261 RFM9x.14@1213,1061 RFM9x.14@1213,1861 RFM9x.14@1213,2661 RFM9x.14@1213,3461 RFM9x.14@1213,4261 RFM9x.14@1213,5061 RFM9x.14@1213,5861 RFM9x.14@1213,6661 RFM9x.14@1213,7461 RFM9x.14@1213,8261 RFM9x.14@1213,9061 RFM9x.14@1213,9861 RFM9x.14@2213,261 RFM9x.14@2213,1061 RFM9x.14@2213,1861 RFM9x.14@2213,2661 RFM9x.14@2213,3461 RFM9x.14@2213,4261 RFM9x.14@2213,5061 RFM9x.14@2213,5861 RFM9x.14@2213,6661 RFM9x.14@2213,7461 RFM9x.14@2213,8261 RFM9x.14@2213,9061 RFM9x.14@2213,9861 RFM9x.14@3213,261 RFM9x.14@3213,1061 RFM9x.14@3213,1861 RFM9x.14@3213,2661 RFM9x.14@3213,3461 RFM9x.14@3213,4261 RFM9x.14@3213,5061 RFM9x.14@3213,5861 RFM9x.14@3213,6661 RFM9x.14@3213,7461 RFM9x.14@3213,8261 RFM9x.14@3213,9061 RFM9x.14@3213,9861 RFM9x.14@4213,261 RFM9x.14@4213,1061 RFM9x.14@4213,1861 RFM9x.14@4213,2661 RFM9x.14@4213,3461 RFM9x.14@4213,4261 RFM9x.14@4213,5061 RFM9x.14@4213,5861 RFM9x.14@4213,6661 RFM9x.14@4213,7461 RFM9x.14@4213,8261 RFM9x.14@4213,9061 RFM9x.14@4213,9861 RFM9x.14@5213,261 RFM9x.14@5213,1061 RFM9x.14@5213,1861 RFM9x.14@5213,2661 RFM9x.14@5213,3461 RFM9x.14@5213,4261 RFM9x.14@5213,5061 RFM9x.14@5213,5861 RFM9x.14@5213,6661 RFM9x.14@5213,7461 RFM9x.14@5213,8261 RFM9x.14@5213,9061 RFM9x.14@5213,9861 RFM9x.14@6213,261 RFM9x.14@6213,1061 RFM9x.14@6213,1861 RFM9x.14@6213,2661 RFM9x.14@6213,3461 RFM9x.14@6213,4261 RFM9x.14@6213,5061 RFM9x.14@6213,5861 RFM9x.14@6213,6661 RFM9x.14@6213,7461 RFM9x.14@6213,8261 RFM9x.14@6213,9061 RFM9x.14@6213,9861 RFM9x.15@213,983 RFM9x.15@213,1783 RFM9x.15@213,2583 RFM9x.15@213,3383 RFM9x.15@213,4183 RFM9x.15@213,4983 RFM9x.15@213,5783 RFM9x.15@213,6583 RFM9x.15@213,7383 RFM9x.15@213,8183 RFM9x.15@213,8983 RFM9x.15@213,9783 RFM9x.15@1213,183 RFM9x.15@1213,983 RFM9x.15@1213,1783 RFM9x.15@1213,2583 RFM9x.15@1213,3383 RFM9x.15@1213,4183 RFM9x.15@1213,4983 RFM9x.15@1213,5783 RFM9x.15@1213,6583 RFM9x.15@1213,7383 RFM9x.15@1213,8183 RFM9x.15@1213,8983 RFM9x.15@1213,9783 RFM9x.15@2213,183 RFM9x.15@2213,983 RFM9x.15@2213,1783 RFM9x.15@2213,2583 RFM9x.15@2213,3383 RFM9x.15@2213,4183 RFM9x.15@2213,4983 RFM9x.15@2213,5783 RFM9x.15@2213,6583 RFM9x.15@2213,7383 RFM9x.15@2213,8183 RFM9x.15@2213,8983 RFM9x.15@2213,9783 RFM9x.15@3213,183 RFM9x.15@3213,983 RFM9x.15@3213,1783 RFM9x.15@3213,2583 RFM9x.15@3213,3383 RFM9x.15@3213,4183 RFM9x.15@3213,4983 RFM9x.15@3213,5783 RFM9x.15@3213,6583 RFM9x.15@3213,7383 RFM9x.15@3213,8183 RFM9x.15@3213,8983 RFM9x.15@3213,9783